# Altium PCB PT-PWR-EPS-002_v1.PcbDoc (part 1 of 3) (continued)
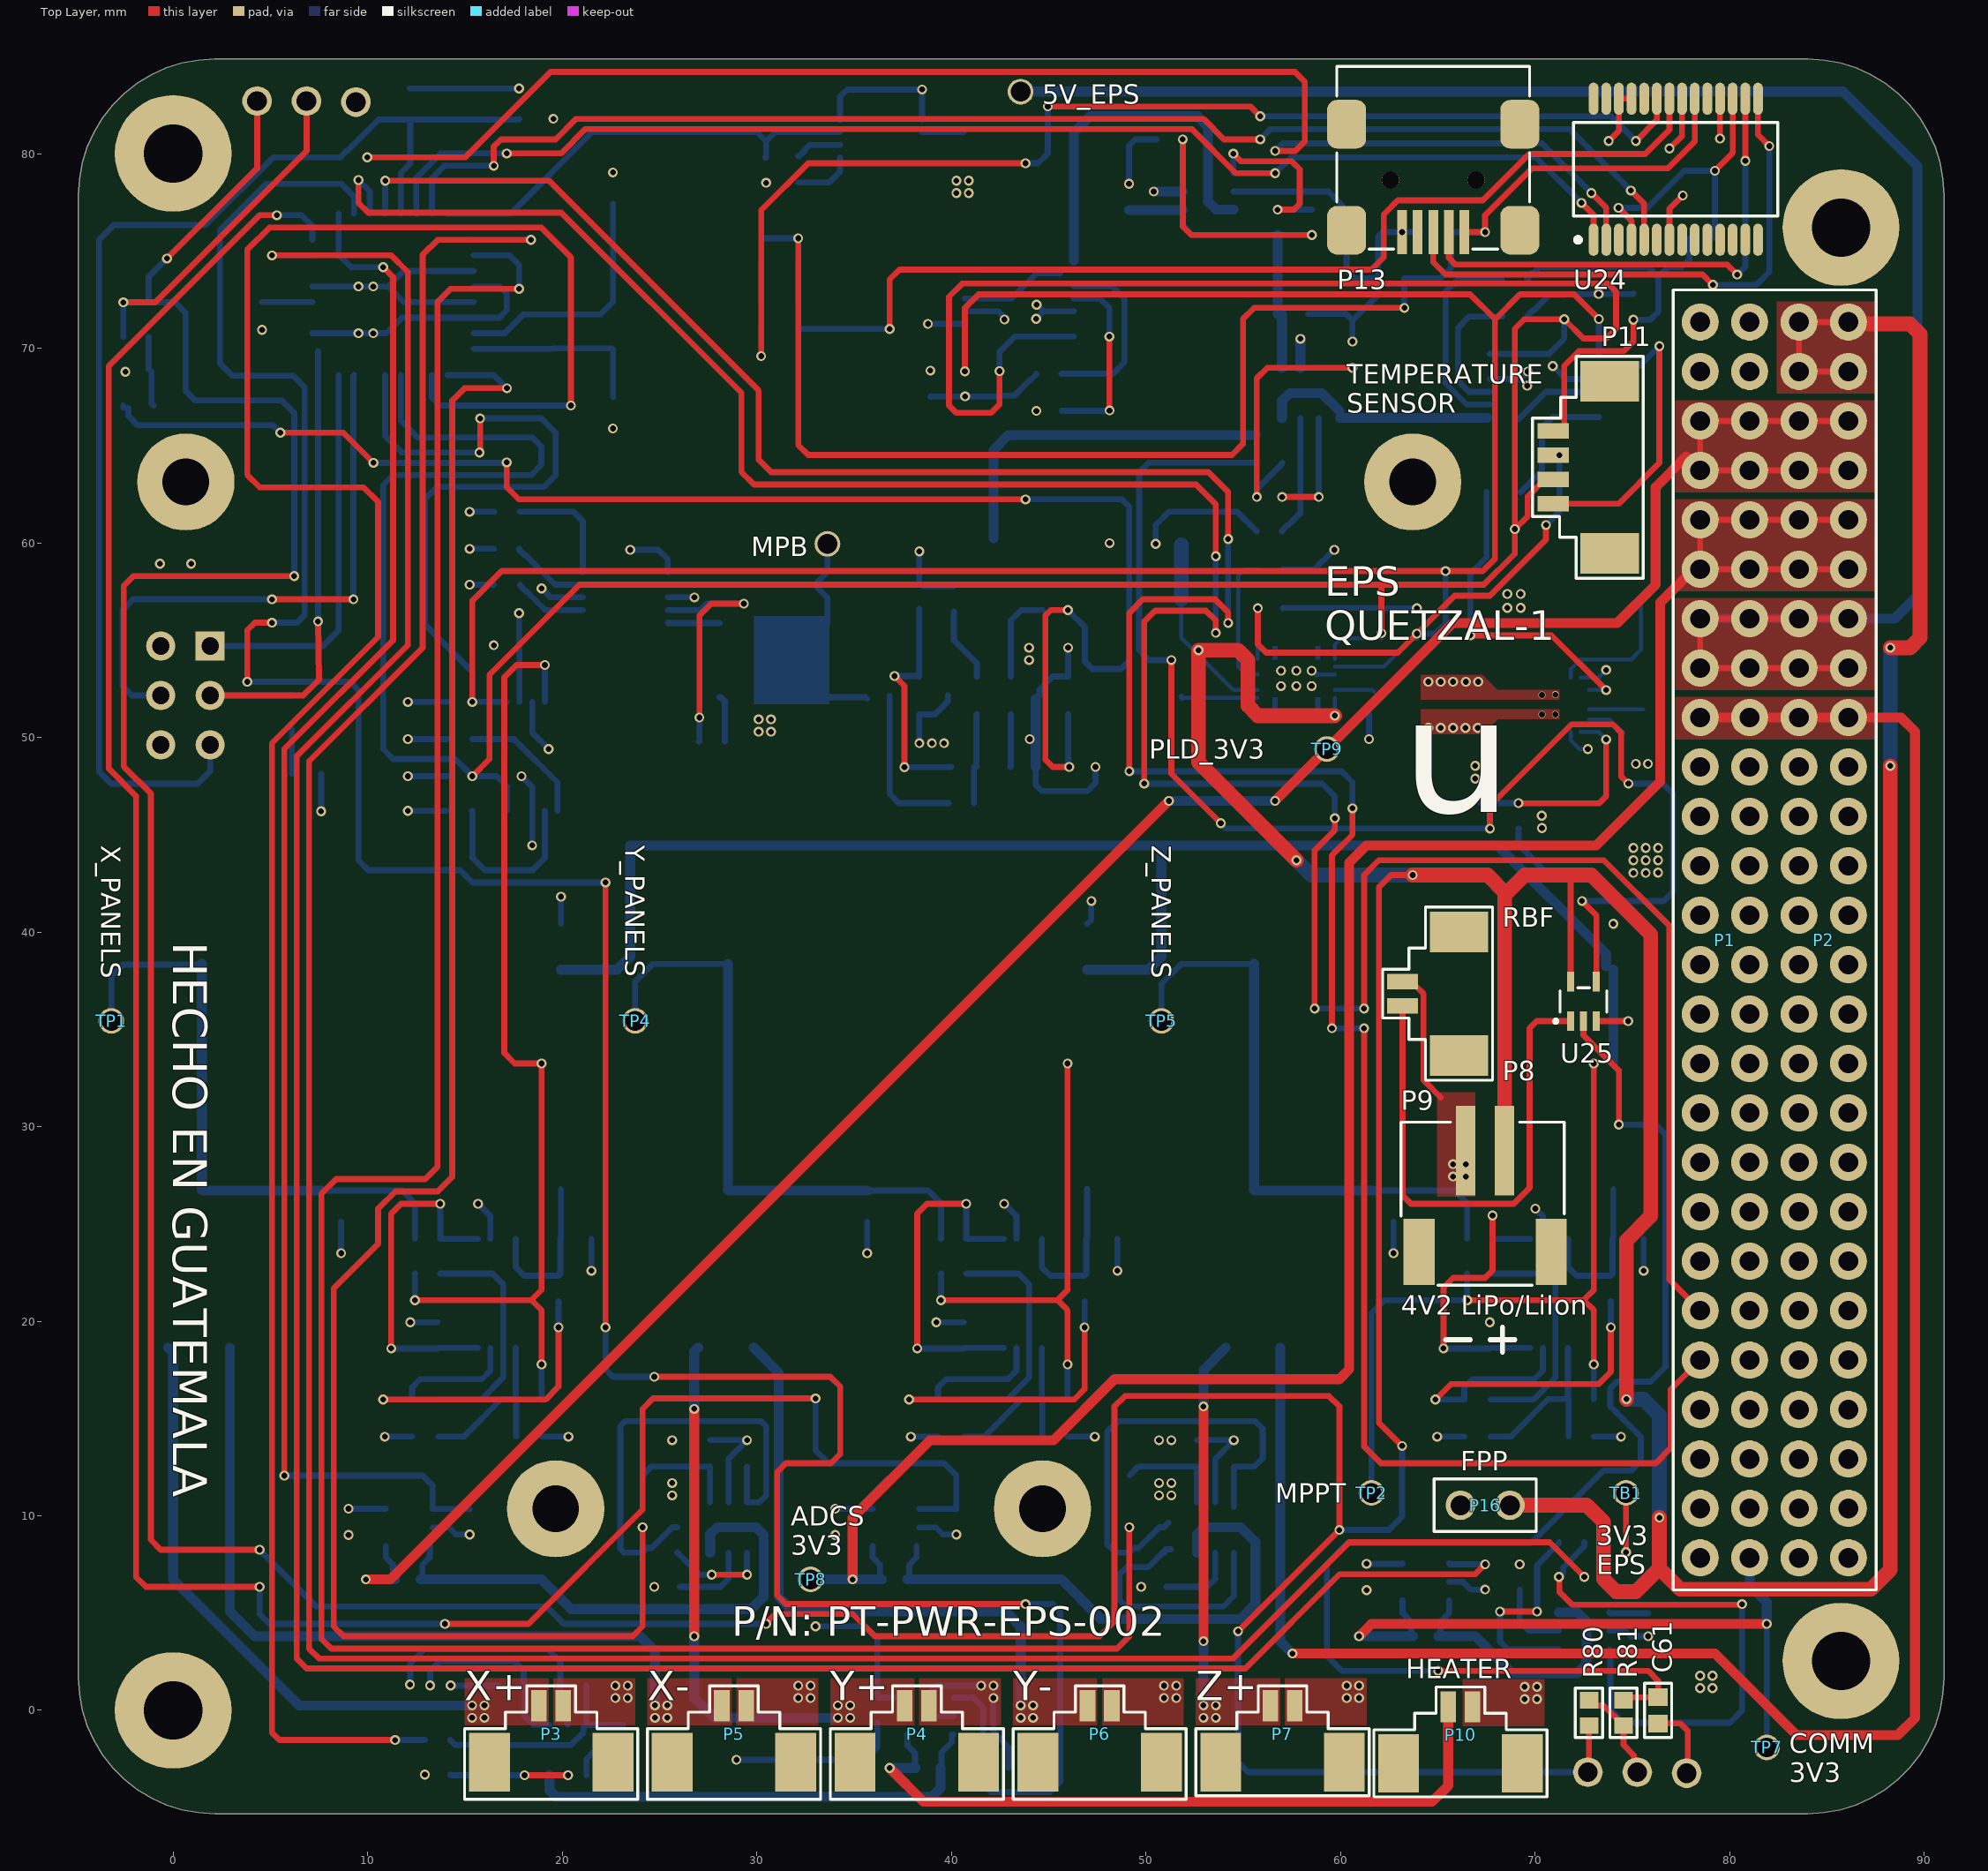
[diagram p0: Top Layer view]
## Components (designator, comment, footprint, x,y, rotation, side; value= is the part's Value field where it differs from the comment)
C1 "CL10A105KP8NNNC" "CAP 0603/1608" 17.156,54.737 r180 bottom
C2 "CL21A226MQQNNNE" "CAP 0805/2012" 20.701,24.226 r0 bottom
C3 "CL10A105KP8NNNC" "CAP 0603/1608" 12.954,15.971 r180 bottom
C4 "GRM21BR60G336ME15L" "CAP 0805/2012" 8.636,25.908 r90 bottom
C5 "CL10C102JB8NNNC" "CAP 0603/1608" 13.589,19.273 r270 bottom
C6 "CL10C102JB8NNNC" "CAP 0603/1608" 12.954,14.066 r0 bottom
C7 "CL10A105KP8NNNC" "CAP 0603/1608" 27.726,49.824 r0 bottom
C8 "GRM188R60J226MEA0D" "CAP 0603/1608" 35.585,51.395 r90 bottom
C9 "CL21A226MQQNNNE" "CAP 0805/2012" 47.737,24.226 r0 bottom
C10 "C0603C104K8RACTU" "CAP 0603/1608" 17.156,57.846 r0 bottom
C11 "CL10A105KP8NNNC" "CAP 0603/1608" 39.99,15.971 r180 bottom
C12 "GRM21BR60G336ME15L" "CAP 0805/2012" 35.672,25.908 r90 bottom
C13 "CL10C102JB8NNNC" "CAP 0603/1608" 40.625,19.273 r270 bottom
C14 "CL10C102JB8NNNC" "CAP 0603/1608" 39.99,14.066 r0 bottom
C15 "CL21A226MQQNNNE" "CAP 0805/2012" 74.788,24.226 r0 bottom
C16 "CL10A105KP8NNNC" "CAP 0603/1608" 67.041,15.971 r180 bottom
C17 "GRM21BR60G336ME15L" "CAP 0805/2012" 62.723,25.908 r90 bottom
C18 "CL10C102JB8NNNC" "CAP 0603/1608" 67.676,19.273 r270 bottom
C19 "CL10C102JB8NNNC" "CAP 0603/1608" 67.041,14.066 r0 bottom
C20 "CL10B474KA8NFNC" "RES 0603/1608" 61.468,51.831 r90 bottom
C21 "CL10A106MQ8NNNC" "CAP 0603/1608" 48.133,59.309 r270 bottom
C22 "CL10A105KP8NNNC" "CAP 0603/1608" 51.181,59.944 r0 bottom
C23 "EMK107B7224KA-T" "CAP 0603/1608" 46.736,48.483 r180 bottom
C24 "EMK107B7224KA-T" "CAP 0603/1608" 38.354,57.277 r270 bottom
C25 "CL10A105KP8NNNC" "CAP 0603/1608" 75.057,72.136 r270 bottom
C26 "C0603C104K8RACTU" "CAP 0603/1608" 57.663,71.755 r180 bottom
C27 "C0603C104K8RACTU" "CAP 0603/1608" 60.617,69.669 r270 bottom
C28 "LMK212BJ106KG-T" "CAP 0805/2012" 72.428,56.449 r0 bottom
C29 "LMK212BJ106KG-T" "CAP 0805/2012" 72.428,58.695 r0 bottom
C30 "CL10A106MQ8NNNC" "CAP 0603/1608" 69.088,54.229 r270 bottom
C31 "CL10A106MQ8NNNC" "CAP 0603/1608" 69.151,49.149 r90 bottom
C32 "CL21A226MQQNNNE" "CAP 0805/2012" 72.428,46.99 r0 bottom
C33 "CL21A226MQQNNNE" "CAP 0805/2012" 72.39,44.831 r0 bottom
C34 "C0603C104K8RACTU" "CAP 0603/1608" 75.565,50.76 r90 bottom
C35 "CL10A105KP8NNNC" "CAP 0603/1608" 38.924,68.175 r90 bottom
C36 "C0603C104K8RACTU" "CAP 0603/1608" 49.134,77.779 r270 bottom
C37 "C0603C104K8RACTU" "CAP 0603/1608" 51.22,80.733 r0 bottom
C38 "CL10A106MQ8NNNC" "CAP 0603/1608" 40.64,80.442 r90 bottom
C39 "CL10A106MQ8NNNC" "CAP 0603/1608" 37.592,78.105 r180 bottom
C40 "CL10A105KP8NNNC" "CAP 0603/1608" 32.131,79.197 r90 bottom
C41 "C0603C104K8RACTU" "CAP 0603/1608" 75.819,4.485 r90 bottom
C42 "C0603C104K8RACTU" "CAP 0603/1608" 61.341,6.858 r90 bottom
C43 "C0603C104K8RACTU" "CAP 0603/1608" 74.549,1.27 r180 bottom
C44 "C0603C104K8RACTU" "CAP 0603/1608" 52.619,13.208 r270 bottom
C45 "C0603C104K8RACTU" "CAP 0603/1608" 34.036,9.688 r90 bottom
C46 "C0603C104K8RACTU" "CAP 0603/1608" 54.519,13.208 r270 bottom
C47 "C0603C104K8RACTU" "CAP 0603/1608" 27.599,13.208 r270 bottom
C48 "C0603C104K8RACTU" "CAP 0603/1608" 9.016,9.688 r90 bottom
C49 "C0603C104K8RACTU" "CAP 0603/1608" 29.499,13.208 r270 bottom
C50 "C0603C104K8RACTU" "CAP 0603/1608" 17.399,1.27 r0 bottom
C51 "C0603C104K8RACTU" "CAP 0603/1608" 36.195,0.046 r90 bottom
C52 "C0603C104K8RACTU" "CAP 0603/1608" 20.573,1.27 r0 bottom
C53 "C2012X7R1H104K085AA" "CAP 0805/2012" 0.127,58.928 r180 bottom
C54 "C0603C104K8RACTU" "CAP 0603/1608" 4.572,71.741 r90 bottom
C55 "C0603C104K8RACTU" "CAP 0603/1608" 9.303,79.807 r180 bottom
C56 "C0603C104K8RACTU" "CAP 0603/1608" 62.611,73.583 r180 bottom
C57 "LMK212BJ106KG-T" "CAP 0805/2012" 64.882,75.968 r0 bottom
C58 "C0805C180J5GAC-TU" "CAP 0805/2012" 22.606,78.232 r90 bottom
C59 "C0603C104K8RACTU" "CAP 0603/1608" 78.613,75.647 r180 bottom
C60 "C0805C180J5GAC-TU" "CAP 0805/2012" 22.606,66.675 r270 bottom
C61 "GRM188R60E476ME15D" "CAP 0603/1608" 76.327,0 r90 top
C62 "GRM188R60E476ME15D" "CAP 0603/1608" -1.778,68.789 r0 bottom
D1 "MBR120VLSFT3G" SOD123F 0,20.066 r90 bottom
D2 "MBR120VLSFT3G" SOD123F 26.987,20.066 r90 bottom
D3 "MBR120VLSFT3G" SOD123F 2.921,20.066 r90 bottom
D4 "MBR120VLSFT3G" SOD123F 29.845,20.066 r90 bottom
D5 "MBR120VLSFT3G" SOD123F 54.102,20.066 r90 bottom
D6 "MBR120VLSFT3G" SOD123F 56.908,20.062 r90 bottom
D7 "SMM4F5.0A-TR" DO216-AA 19.939,39.243 r90 bottom
D8 "SMM4F5.0A-TR" DO216-AA 46.975,39.243 r90 bottom
D9 "SMM4F5.0A-TR" DO216-AA 74.026,39.243 r90 bottom
D10 "RB051MM-2YTR" SOD123F 48.133,53.563 r270 bottom
D11 "RB051MM-2YTR" SOD123F 42.164,58.801 r90 bottom
D12 "APT1608SYCK" "LED 0603/1608 YELLOW" 30.226,71.741 r270 bottom
D13 "APT1608SGC" "LED 0603/1608 GREEN" 32.131,71.741 r270 bottom
D14 "APT1608SYCK" "LED 0603/1608 YELLOW" 6.858,48.133 r0 bottom
L1 "SRR1206-100ML" SRR1206 6.477,38.354 r0 bottom
L2 "SRR1206-100ML" SRR1206 33.513,38.354 r0 bottom
L3 "SRR1206-100ML" SRR1206 60.564,38.354 r0 bottom
L4 "XFL4020-152MEB" XFL4020 65.786,51.675 r270 bottom
P1 "ESQ-126-14-G-D" ESQ-126-14-G-D 79.762,39.593 r0 top
P2 "ESQ-126-14-G-D" ESQ-126-14-G-D 84.842,39.593 r0 top
P3 "0532610271" 0532610271 19.431,-1.217 r0 top
P4 "0532610271" 0532610271 38.227,-1.217 r0 top
P5 "0532610271" 0532610271 28.829,-1.217 r0 top
P6 "0532610271" 0532610271 47.625,-1.217 r0 top
P7 "0533980271" 0533980271 57.023,-1.217 r0 top
P8 "0533980271" 0533980271 64.643,36.83 r90 top
P9 "S2B-PH-SM4-TB(LF)(SN)" S2B-PH-SM4-TB(LF)(SN) 67.437,26.162 r0 top
P10 "0533980271" 0533980271 66.167,-1.27 r0 top
P11 "0533980471" 0533980471 72.39,63.881 r90 top
P12 "67997-106HLF" 67997-106HLF 0.635,52.156 r270 bottom
P13 "10033526-N3212LF" "FCI USB 10033526-N3212LF" 64.77,78.74 r0 top
P14 "61300311121" 61300311121 75.256,-3.2 r0 bottom
P15 "61300311121" 61300311121 6.858,82.677 r0 bottom
P16 "61300211121" 61300211121 67.437,10.541 r180 top
Q1 "CSD16412Q5A" "8-VSONP (5x6)" 30.861,53.975 r0 bottom
R1 "RNCP0603FTD10K0" "RES 0603/1608" 14.732,48.006 r180 bottom
R2 "RNCP0603FTD10K0" "RES 0603/1608" 14.732,51.822 r180 bottom
R3 "RLP73N3AR091FTDF" "STACKPOLE CSRN2512" 19.939,30.047 r90 bottom
R4 "ESR03EZPJ102" "RES 0603/1608" 13.081,24.232 r0 bottom
R5 "ESR03EZPJ102" "RES 0603/1608" 19.812,21.686 r90 bottom
R6 "RC0603JR-071M2L" "RES 0603/1608" 18.288,15.971 r0 bottom
R7 "ESR03EZPJ102" "RES 0603/1608" 13.081,22.448 r180 bottom
R8 "RMCF0603ZT0R00" "RES 0603/1608" 14.732,49.911 r0 bottom
R9 "RMCF0603ZT0R00" "RES 0603/1608" 14.717,46.222 r0 bottom
R10 "RMCF0603FT510K" "RES 0603/1608" 18.288,14.066 r180 bottom
R11 "RLP73N3AR091FTDF" "STACKPOLE CSRN2512" 46.975,30.047 r90 bottom
R12 "ESR03EZPJ102" "RES 0603/1608" 40.117,24.232 r0 bottom
R13 "ESR03EZPJ102" "RES 0603/1608" 46.848,21.686 r90 bottom
R14 "RC0603JR-071M2L" "RES 0603/1608" 45.324,15.971 r0 bottom
R15 "ESR03EZPJ102" "RES 0603/1608" 40.117,22.448 r180 bottom
R16 "RNCP0603FTD10K0" "RES 0603/1608" 17.156,61.595 r0 bottom
R17 "RNCP0603FTD10K0" "RES 0603/1608" 17.145,59.69 r0 bottom
R18 "RMCF0603FT510K" "RES 0603/1608" 45.324,14.066 r180 bottom
R19 "RLP73N3AR091FTDF" "STACKPOLE CSRN2512" 74.026,30.047 r90 bottom
R20 "ESR03EZPJ102" "RES 0603/1608" 67.168,24.232 r0 bottom
R21 "ESR03EZPJ102" "RES 0603/1608" 73.899,21.686 r90 bottom
R22 "RC0603JR-071M2L" "RES 0603/1608" 72.375,15.971 r0 bottom
R23 "ESR03EZPJ102" "RES 0603/1608" 67.168,22.448 r180 bottom
R24 "RMCF0603FT510K" "RES 0603/1608" 72.375,14.066 r180 bottom
R25 "RNCP0603FTD10K0" "RES 0603/1608" 56.388,56.642 r0 bottom
R26 "RNCP0603FTD10K0" "RES 0603/1608" 62.103,56.007 r90 bottom
R27 "RNCP0603FTD10K0" "RES 0603/1608" 63.929,55.981 r90 bottom
R28 "CSRN2010FK10L0" "STACKPOLE CSR2010" 51.816,54.595 r90 bottom
R29 "CR0603-JW-104ELF" "RES 0603/1608" 40.513,46.624 r180 bottom
R30 "RNCP0603FTD10K0" "RES 0603/1608" 56.388,58.634 r180 bottom
R31 "CRGCQ0603F33K" "RES 0603/1608" 43.688,48.483 r180 bottom
R32 "RC0603FR-07110KL" "RES 0603/1608" 40.132,57.117 r270 bottom
R33 "ESR03EZPJ102" "RES 0603/1608" 45.339,56.545 r180 bottom
R34 "ESR03EZPJ102" "RES 0603/1608" 40.513,48.483 r0 bottom
R35 "CR0603-JW-104ELF" "RES 0603/1608" -1.905,66.929 r180 bottom
R36 "RMCF0603ZT0R00" "RES 0603/1608" 68.976,71.628 r0 bottom
R37 "RNCP0603FTD10K0" "RES 0603/1608" 71.501,72.136 r90 bottom
R38 "RNCP0603FTD10K0" "RES 0603/1608" 73.285,72.151 r90 bottom
R39 "ESR03EZPJ102" "RES 0603/1608" 56.353,62.357 r0 bottom
R40 "ERJ3EKF7502V" "RES 0603/1608" 56.353,60.579 r0 bottom
R41 "RMCF0603ZT0R00" "RES 0603/1608" 68.961,73.533 r180 bottom
R42 "CR0603-JW-104ELF" "RES 0603/1608" 56.353,64.12 r0 bottom
R43 "RC0805FR-0710KL" "RES 0805/2012" 68.388,62.611 r0 bottom
R44 "RC0805FR-0710KL" "RES 0805/2012" 75.438,57.926 r90 bottom
R45 "RNCF0603BTE213K" "RES 0603/1608" 69.151,45.974 r270 bottom
R46 "RMCF0603FT68K1" "RES 0603/1608" 66.675,46.482 r0 bottom
R47 "RMCF0603ZT0R00" "RES 0603/1608" 45.005,68.683 r180 bottom
R48 "RNCP0603FTD10K0" "RES 0603/1608" 42.48,68.175 r270 bottom
R49 "RNCP0603FTD10K0" "RES 0603/1608" 40.696,68.16 r270 bottom
R50 "CR0603-JW-104ELF" "RES 0603/1608" 56.769,76.469 r90 bottom
R51 "ESR03EZPJ102" "RES 0603/1608" 58.532,76.469 r90 bottom
R52 "ERJ3EKF7502V" "RES 0603/1608" 60.31,76.469 r90 bottom
R53 "RMCF0603ZT0R00" "RES 0603/1608" 45.02,66.778 r0 bottom
R54 "RNCP0603FTD10K0" "RES 0603/1608" 30.48,79.154 r90 bottom
R55 "RU1608FR100CS" "RES 0603/1608" 64.389,3.81 r180 bottom
R56 "ESR03EZPJ102" "RES 0603/1608" 71.882,8.636 r180 bottom
R57 "ERJ3EKF7502V" "RES 0603/1608" 69.215,6.858 r270 bottom
R58 "RC0603JR-0713KL" "RES 0603/1608" 67.437,6.858 r90 bottom
R59 "CR0603-JW-104ELF" "RES 0603/1608" 71.882,6.858 r180 bottom
R60 "RU1608FR100CS" "RES 0603/1608" 37.084,6.731 r180 bottom
R61 "ESR03EZPJ102" "RES 0603/1608" 50.927,8.763 r270 bottom
R62 "ERJ3EKF7502V" "RES 0603/1608" 50.404,6.35 r0 bottom
R63 "RC0603JR-0713KL" "RES 0603/1608" 40.259,9.688 r90 bottom
R64 "CR0603-JW-104ELF" "RES 0603/1608" 49.149,8.763 r270 bottom
R65 "RU1608FR100CS" "RES 0603/1608" 12.064,6.731 r180 bottom
R66 "ESR03EZPJ102" "RES 0603/1608" 25.907,8.763 r270 bottom
R67 "ERJ3EKF7502V" "RES 0603/1608" 25.384,6.35 r0 bottom
R68 "RC0603JR-0713KL" "RES 0603/1608" 15.239,9.688 r90 bottom
R69 "CR0603-JW-104ELF" "RES 0603/1608" 24.129,8.763 r270 bottom
R70 "RU1608FR100CS" "RES 0603/1608" 38.797,-2.96 r180 bottom
R71 "ESR03EZPJ102" "RES 0603/1608" 23.114,-1.397 r270 bottom
R72 "ERJ3EKF7502V" "RES 0603/1608" 13.589,-3.302 r0 bottom
R73 "RC0603JR-0713KL" "RES 0603/1608" 42.291,-2.946 r180 bottom
R74 "CR0603-JW-104ELF" "RES 0603/1608" 13.589,-1.524 r0 bottom
R75 "RNCP0603FTD10K0" "RES 0603/1608" 18.669,81.788 r0 bottom
R76 "ESR03EZPJ102" "RES 0603/1608" 30.226,74.997 r90 bottom
R77 "ESR03EZPJ102" "RES 0603/1608" 32.131,74.997 r90 bottom
R78 "ESR03EZPJ102" "RES 0603/1608" 6.096,51.308 r90 bottom
R79 "RT0805FRE071ML" "RES 0805/2012" 19.558,70.866 r270 bottom
R80 "RNCP0603FTD10K0" "RES 0603/1608" 72.776,-0.127 r270 top
R81 "CRGCQ0603F330K" "RES 0603/1608" 74.549,-0.127 r90 top
R82 "RNCP0603FTD10K0" "RES 0603/1608" -1.905,72.357 r0 bottom
R83 "CRGCQ0603F330K" "RES 0603/1608" -1.905,70.585 r0 bottom
S1 "KMR631NGULCLFS" KMR631NGLFS 14.224,82.55 r0 bottom
TB1 "3V3_EPS" Testpoint 74.676,11.176 r0 top
TP1 "X_PANELS" Testpoint -3.175,35.433 r0 top
TP2 "4V2_MPPT" Testpoint 61.595,11.176 r0 top
TP3 "MPB" Testpoint 33.631,59.944 r180 bottom
TP4 "Y_PANELS" Testpoint 23.749,35.433 r0 top
TP5 "Z_PANELS" Testpoint 50.8,35.433 r0 top
TP6 "5V_EPS" Testpoint 43.561,83.185 r180 bottom
TP7 "COMM_3V3" Testpoint 81.915,-1.905 r0 top
TP8 "ADCS_3V3" Testpoint 32.766,6.731 r0 top
TP9 "PLD_3V3" Testpoint 59.304,49.403 r0 top
U1 "INA260AIPWR" TSOP65P640X120-16N 19.431,49.022 r90 bottom
U2 "SPV1040TTR" TSOP65P630X120-8N 16.637,21.432 r270 bottom
U3 "LTC4352IMS#PBF" MSOP-12 23.24,56.871 r0 bottom
U4 "SPV1040TTR" TSOP65P630X120-8N 43.673,21.432 r270 bottom
U5 "SPV1040TTR" TSOP65P630X120-8N 70.724,21.432 r270 bottom
U6 "BQ27441DRZR-G1A" 12-VFDFN 57.734,53.032 r180 bottom
U7 "TPS2557DRBT" 8-VDFN 44.528,52.156 r180 bottom
U8 "TPS2557DRBT" 8-VDFN 39.829,52.156 r0 bottom
U9 "INA260AIPWR" TSOP65P640X120-16N 70.485,67.437 r0 bottom
U10 "TPS2551QDBVRQ1" SOT23-6 57.963,67.694 r0 bottom
U11 "TPS63070RNMT" 15-VQFN-HR 71.814,51.681 r180 bottom
U12 "INA260AIPWR" TSOP65P640X120-16N 43.496,72.874 r180 bottom
U13 "TPS2551QDBVRQ1" SOT23-6 53.195,78.079 r90 bottom
U14 "MCP1252-33X50I/MS" 8-MSOP 36.387,80.772 r180 bottom
U15 "TPS2551QDBVRQ1" SOT23-6 72.517,4.064 r270 bottom
U16 "INA169NA/3K" SOT95P245X110-5N 64.389,6.604 r180 bottom
U17 "TPS2551QDBVRQ1" SOT23-6 53.594,9.398 r0 bottom
U18 "INA169NA/3K" SOT95P245X110-5N 37.154,9.398 r180 bottom
U19 "TPS2551QDBVRQ1" SOT23-6 28.574,9.398 r0 bottom
U20 "INA169NA/3K" SOT95P245X110-5N 12.134,9.398 r180 bottom
U21 "TPS2551QDBVRQ1" SOT23-6 20.32,-2.032 r0 bottom
U22 "INA169NA/3K" SOT95P245X110-5N 38.924,-0.294 r180 bottom
U23 "ATMEGA328P-AURCT-ND" 32A_L 11.303,72.771 r180 bottom
U24 "FT232RL-REEL" SOP65P790X200-28N 77.235,79.196 r90 top
U25 "74AUP1G08SE-7" SOT353-5 72.492,36.439 r90 top
Y1 "535-9831-1-ND" ABM7 22.606,72.39 r90 bottom

## Footprints (in the part's own frame and the unit in brackets; to place one, negate y for a bottom-side part, rotate by r counter-clockwise, add the part's x,y. Pads: shape width x height; smd on the part's side, far side on the other; paste and mask are expansions set on the pad)
8-MSOP [mil]
  rect 56x18 smd: 1(-83,38) 2(-83,13) 3(-83,-13) 4(-83,-38) 5(83,-38) 6(83,-13) 7(83,13) 8(83,38)
  silkscreen extent -86,-63 49,73, body extent -96,-59 96,59, height 38
8-VDFN [mm]
  rect 0.85x0.35 smd paste-0.425: 1(-1.475,0.975) 2(-1.475,0.325) 3(-1.475,-0.325) 4(-1.475,-0.975) 5(1.475,-0.975) 6(1.475,-0.325) 7(1.475,0.325) 8(1.475,0.975)
  rect 1.65x2.4 smd paste-1.2 mask-1.181: 9(0,0)
  Top Layer region: 0,-1.2 0,-1.2 0,-1.2 0,-1.2 0,-1.2 0,-1.2 0,-1.2 0,-1.2
  Top Layer region: 0,1.2 0,1.2 0,1.2 0,1.2 0,1.2 0,1.2 0,1.2 0,1.2
  silkscreen extent -2.1,-1.7 1.7,1.75, body extent -1.57,-1.57 1.58,1.58, height 1
"8-VSONP (5x6)" [mm]
  rect 1.372x0.71 smd: D(2.77,-1.905) D(2.77,-0.635) D(2.77,0.635) D(2.77,1.905) G(-2.77,-1.905) S(-2.77,-0.635) S(-2.77,0.635) S(-2.77,1.905)
  Top Layer region: -0.984,-2.26 -0.984,2.26 2.866,2.26 2.866,-2.26
  silkscreen extent -4.23,-2.58 3,2.58, body extent -3,-2.45 3,2.45, height 1
12-VFDFN [mil]
  rect 33.46x7.87 smd paste-16.73: 1(-77.99,39.37) 2(-77.99,23.62) 3(-77.99,7.87) 4(-77.99,-7.87) 5(-77.99,-23.62) 6(-77.99,-39.37) 7(77.99,-39.37) 8(77.99,-23.62) 9(77.99,-7.87) 10(77.99,7.87) 11(77.99,23.62) 12(77.99,39.37)
  round 20 / inner round 60 / far side round 20 hole 11.81: 13(-31,-15.5) 13(-31,15.5) 13(0,-15.5) 13(0,15.5) 13(31,-15.5) 13(31,15.5)
  rect 96.46x76.77 smd paste-48.23 mask-47.5: 13(0,0)
  Top Layer region: 0,38.39 0,38.39 0,38.39 0,38.39 0,38.39 0,38.39 0,38.39 0,38.39
  Top Layer region: 0,-38.39 0,-38.39 0,-38.39 0,-38.39 0,-38.39 0,-38.39 0,-38.39 0,-38.39
  Top Layer region: 48.23,38.39 38.39,38.39 38.39,64.96 48.23,64.96
  Top Layer region: -48.23,38.39 -38.39,38.39 -38.39,64.96 -48.23,64.96
  Top Layer region: -48.23,-38.39 -38.39,-38.39 -38.39,-64.96 -48.23,-64.96
  Top Layer region: 48.23,-38.39 38.39,-38.39 38.39,-64.96 48.23,-64.96
  silkscreen extent -35,-55 35,55, body extent -79,-49 79,49, height 41
15-VQFN-HR [mm]
  rect 0.6x0.24 smd: 1(-0.962,0.75) 2(-0.962,0.25) 3(-0.962,-0.25) 4(-0.962,-0.75)
  rect 0.24x0.6 smd: 5(-0.537,-1.4) 6(-0.038,-1.4) 14(-0.038,1.4) 15(-0.537,1.4)
  rect 0.85x0.7 smd: 7(0.713,-1.4) 8(0.713,-1.4) 12(0.713,1.4) 13(0.713,1.4)
  rect 1.45x0.35 smd: 9(0.962,-0.5) 11(0.962,0.5)
  rect 1.8x0.35 smd: 10(0.787,0)
  silkscreen extent -1.24,-1.67 1.61,1.68, body extent -1.1,-1.55 1.5,1.55, height 1.05
32A_L [mm]
  oval 1.35x0.55 smd: 1(-4.15,2.8) 2(-4.15,2) 3(-4.15,1.2) 4(-4.15,0.4) 5(-4.15,-0.4) 6(-4.15,-1.2) 7(-4.15,-2) 8(-4.15,-2.8) 17(4.15,-2.8) 18(4.15,-2) 19(4.15,-1.2) 20(4.15,-0.4) 21(4.15,0.4) 22(4.15,1.2) 23(4.15,2) 24(4.15,2.8)
  oval 0.55x1.35 smd: 9(-2.8,-4.15) 10(-2,-4.15) 11(-1.2,-4.15) 12(-0.4,-4.15) 13(0.4,-4.15) 14(1.2,-4.15) 15(2,-4.15) 16(2.8,-4.15) 25(2.8,4.15) 26(2,4.15) 27(1.2,4.15) 28(0.4,4.15) 29(-0.4,4.15) 30(-1.2,4.15) 31(-2,4.15) 32(-2.8,4.15)
  silkscreen extent -4.28,-3.05 3.05,3.75, body extent -4.5,-4.5 4.5,4.5, height 1.44
67997-106HLF [mm]
  rect 1.5x1.5 hole 0.9: 1(-2.54,-1.27)
  round 1.5 hole 0.9: 2(-2.54,1.27) 3(0,-1.27) 4(0,1.27) 5(2.54,-1.27) 6(2.54,1.27)
  silkscreen extent -3.81,-2.54 3.81,2.54, body extent -3.81,-2.54 3.81,2.54, height 5.94
0532610271 [mm]
  rect 2.1x3 smd: 0(-3.175,-1.45) 0(3.175,-1.45)
  rect 0.8x1.6 smd: 1(-0.625,1.45) 2(0.625,1.45)
  silkscreen extent -4.45,-3.35 4.45,2.48, body extent -3.83,-3.2 3.82,2, height 3.4
0533980271 [mm]
  rect 2.1x3 smd: 0(-3.175,-1.45) 0(3.175,-1.45)
  rect 0.8x1.6 smd: 1(-0.625,1.45) 2(0.625,1.45)
  silkscreen extent -4.45,-3.17 4.45,2.48, body extent -3.83,-2.73 3.83,1.47, height 4.71
0533980471 [mm]
  rect 2.1x3 smd: 0(-4.425,-1.45) 0(4.425,-1.45)
  rect 0.8x1.6 smd: 1(-1.875,1.45) 2(-0.625,1.45) 3(0.625,1.45) 4(1.875,1.45)
  silkscreen extent -5.7,-3.18 5.7,2.53, body extent -5.08,-2.78 5.07,1.42, height 4.74
61300211121 [mil]
  round 60 hole 40: 1(-50,0) 2(50,0)
  silkscreen extent -103,-53 103,53, body extent -100,-50 100,50, height 335
61300311121 [mil]
  round 60 hole 40: 1(-100,-0.98) 2(0,-0.98) 3(100,0.98)
  body extent -152,-51 148,49, height 234
ABM7 [mm]
  rect 1.9x2.6 smd: 1(-2.45,0) 2(2.45,0)
  silkscreen extent -3.59,-1.78 3.65,2.03, body extent -3.09,-1.62 3.01,1.88, height 1.44
"CAP 0603/1608" [mm]
  rect 0.9x1 smd: 1(-0.675,0) 2(0.675,0)
  silkscreen extent -1.4,-0.7 1.4,0.7, body extent -0.8,-0.41 0.8,0.41, height 0.82
"CAP 0805/2012" [mm]
  rect 1.3x1.4 smd: 1(-0.8,0) 2(0.8,0)
  silkscreen extent -1.65,-0.9 1.65,0.9, body extent -1,-0.64 1,0.64, height 1.26
DO216-AA [mm]
  rect 0.76x1.27 smd: A(1.178,0)
  rect 2.67x2.54 smd: K(-1.177,0)
  silkscreen extent -2.73,-1.48 1.78,1.48, body extent -2.38,-0.95 1.42,0.95, height 0.85
ESQ-126-14-G-D [mil]
  round 75 hole 40: 1(-50,1250) 2(50,1250) 3(-50,1150) 4(50,1150) 5(-50,1050) 6(50,1050) 7(-50,950) 8(50,950) 9(-50,850) 10(50,850) 11(-50,750) 12(50,750) 13(-50,650) 14(50,650) 15(-50,550) 16(50,550) 17(-50,450) 18(50,450) 19(-50,350) 20(50,350) 21(-50,250) 22(50,250) 23(-50,150) 24(50,150) 25(-50,50) 26(50,50) 27(-50,-50) 28(50,-50) 29(-50,-150) 30(50,-150) 31(-50,-250) 32(50,-250) 33(-50,-350) 34(50,-350) 35(-50,-450) 36(50,-450) 37(-50,-550) 38(50,-550) 39(-50,-650) 40(50,-650) 41(-50,-750) 42(50,-750) 43(-50,-850) 44(50,-850) 45(-50,-950) 46(50,-950) 47(-50,-1050) 48(50,-1050) 49(-50,-1150) 50(50,-1150) 51(-50,-1250) 52(50,-1250)
  silkscreen extent -105,-1315 106,1315, body extent -99,-1310 101,1310, height 437
"FCI USB 10033526-N3212LF" [mm]
  rect 0.5x2.25 smd: 1(1.6,-2.772) 2(0.8,-2.772) 3(0,-2.772) 4(-0.8,-2.772) 5(-1.6,-2.772)
  round 0.9 hole 0.9 unplated: M(-2.2,-0.097) M(2.2,-0.097)
  rrect50% 2x2.5 smd: S(-4.45,-2.677) S(-4.45,2.773) S(4.45,-2.677) S(4.45,2.773)
  silkscreen extent -4.95,-3.65 4.95,5.74, body extent -4.95,-3.65 4.95,5.75, height 4.01
KMR631NGLFS [mm]
  rect 0.9x1 smd: 1(-2.05,0.8) 1(2.05,0.8) 2(-2.05,-0.8) 2(2.05,-0.8)
  silkscreen extent -2.79,-1.52 2.79,1.52, body extent -2.3,-1.4 2.3,1.4, height 1.92
"LED 0603/1608 GREEN" [mm]
  rect 0.8x0.8 smd: 1(-0.75,0) 2(0.75,0)
  silkscreen extent -1.52,-0.7 1.52,0.7, body extent -0.8,-0.4 0.8,0.4, height 0.53
"LED 0603/1608 YELLOW" [mm]
  rect 0.8x0.8 smd: 1(-0.75,0) 2(0.75,0)
  silkscreen extent -1.52,-0.7 1.52,0.7, body extent -0.8,-0.4 0.8,0.4, height 0.53
MSOP-12 [mil]
  rect 55x17 smd: 1(-86,64) 2(-86,38.4) 3(-86,12.8) 4(-86,-12.8) 5(-86,-38.4) 6(-86,-64) 7(86,-64) 8(86,-38.4) 9(86,-12.8) 10(86,12.8) 11(86,38.4) 12(86,64)
  rect 69x116 smd: 13(0,0)
  silkscreen extent -91,-86 66,105, body extent -96,-80 96,80, height 43
"RES 0603/1608" [mm]
  rect 0.85x0.95 smd: 1(-0.65,0) 2(0.65,0)
  silkscreen extent -1.27,-0.7 1.27,0.7, body extent -0.8,-0.4 0.8,0.4, height 0.45
"RES 0805/2012" [mm]
  rect 1.15x1.35 smd: 1(-0.875,0) 2(0.875,0)
  silkscreen extent -1.7,-0.9 1.7,0.9, body extent -0.95,-0.62 1.05,0.63, height 0.6
S2B-PH-SM4-TB(LF)(SN) [mm]
  rect 1x4.6 smd: 1(1,2.6) 2(-1,2.6)
  rect 1.6x3.4 smd: ""(-3.4,-2.6) ""(3.4,-2.6)
  silkscreen extent -4.32,-4.32 4.06,4.06, body extent -4.08,-4.2 3.82,4.46, height 5.5
SOD123F [mm]
  rect 1.2x1.2 smd: 1(-1.43,0) 2(1.43,0)
  silkscreen extent -2.41,-1.02 2.41,1.02, body extent -1.75,-0.8 1.75,0.8, height 1.1
SOP65P790X200-28N [mm]
  oval 1.65x0.5 smd: 1(-3.625,4.225) 2(-3.625,3.575) 3(-3.625,2.925) 4(-3.625,2.275) 5(-3.625,1.625) 6(-3.625,0.975) 7(-3.625,0.325) 8(-3.625,-0.325) 9(-3.625,-0.975) 10(-3.625,-1.625) 11(-3.625,-2.275) 12(-3.625,-2.925) 13(-3.625,-3.575) 14(-3.625,-4.225) 15(3.625,-4.225) 16(3.625,-3.575) 17(3.625,-2.925) 18(3.625,-2.275) 19(3.625,-1.625) 20(3.625,-0.975) 21(3.625,-0.325) 22(3.625,0.325) 23(3.625,0.975) 24(3.625,1.625) 25(3.625,2.275) 26(3.625,2.925) 27(3.625,3.575) 28(3.625,4.225)
  silkscreen extent -3.75,-5.25 2.4,5.25, body extent -3.9,-5.1 3.9,5.1, height 1.9
SOT23-6 [mm]
  rect 0.6x1 smd: 1(-0.975,-1.3) 2(-0.025,-1.3) 3(0.925,-1.3) 4(0.925,1.3) 5(-0.025,1.3) 6(-0.975,1.3)
  silkscreen extent -1.66,-0.56 1.13,0.45, body extent -1.48,-1.17 1.44,1.17, height 1
SOT95P245X110-5N [mm]
  rect 1x0.6 smd: 1(-1.2,0.95) 2(-1.2,0) 3(-1.2,-0.95) 4(1.2,-0.95) 5(1.2,0.95)
  silkscreen extent -1.33,-1.5 0.3,1.92, body extent -1.36,-1.45 1.36,1.45, height 1.19
SOT353-5 [mil]
  rect 40x14 smd: 1(-40,26) 2(-40,0) 3(-40,-26) 4(40,-26) 5(40,26)
  silkscreen extent -43,-47 27,58, body extent -45,-44 45,44, height 43
SRR1206 [mm]
  rect 4x7 smd: 1(-5,0) 2(5,0)
  silkscreen extent -6.75,-6.5 6.75,6.5, body extent -6.6,-6.35 6.6,6.35, height 6.55
"STACKPOLE CSR2010" [mm]
  rect 1.4x2.5 smd: 1(-2.5,0) 2(2.5,0)
  silkscreen extent -3.5,-1.5 3.5,1.5, body extent -2.57,-1.27 2.58,1.27, height 0.5
"STACKPOLE CSRN2512" [mm]
  rect 1.6x3.1 smd: 1(-3.25,0) 2(3.25,0)
  silkscreen extent -4.3,-1.8 4.3,1.8, body extent -3.25,-1.58 3.25,1.57, height 0.6
Testpoint [mil]
  round 52 hole 40: 1(0,0)
TSOP65P630X120-8N [mm]
  oval 1.6x0.45 smd: 1(-2.8,0.975) 2(-2.8,0.325) 3(-2.8,-0.325) 4(-2.8,-0.975) 5(2.8,-0.975) 6(2.8,-0.325) 7(2.8,0.325) 8(2.8,0.975)
  silkscreen extent -2.92,-1.55 1.6,1.87, body extent -3.2,-1.55 3.2,1.55, height 1.2
TSOP65P640X120-16N [mm]
  oval 1.6x0.35 smd: 1(-2.8,2.275) 2(-2.8,1.625) 3(-2.8,0.975) 4(-2.8,0.325) 5(-2.8,-0.325) 6(-2.8,-0.975) 7(-2.8,-1.625) 8(-2.8,-2.275) 9(2.8,-2.275) 10(2.8,-1.625) 11(2.8,-0.975) 12(2.8,-0.325) 13(2.8,0.325) 14(2.8,0.975) 15(2.8,1.625) 16(2.8,2.275)
  silkscreen extent -2.92,-2.55 1.6,3.13, body extent -3.21,-2.5 3.21,2.5, height 1.2
XFL4020 [mm]
  rect 0.98x3.4 smd: 1(-1.185,0) 2(1.185,0)
  silkscreen extent -2.22,-2.22 2.22,2.22, body extent -2.15,-2.15 2.15,2.15, height 2.09
